# Altium PCB top_LM_v1.PcbDoc (part 5 of 5)
Units mil, origin at the board's own origin, x right, y up, seen from the top; angles counter-clockwise.
Board outline 13413.03 x 6200.01 mil, 2 copper layers (Top Layer, Bottom Layer); 748 components, 568 nets, 1910 pads, 545 vias.
Unrouted connection lines stored in the file: 211.
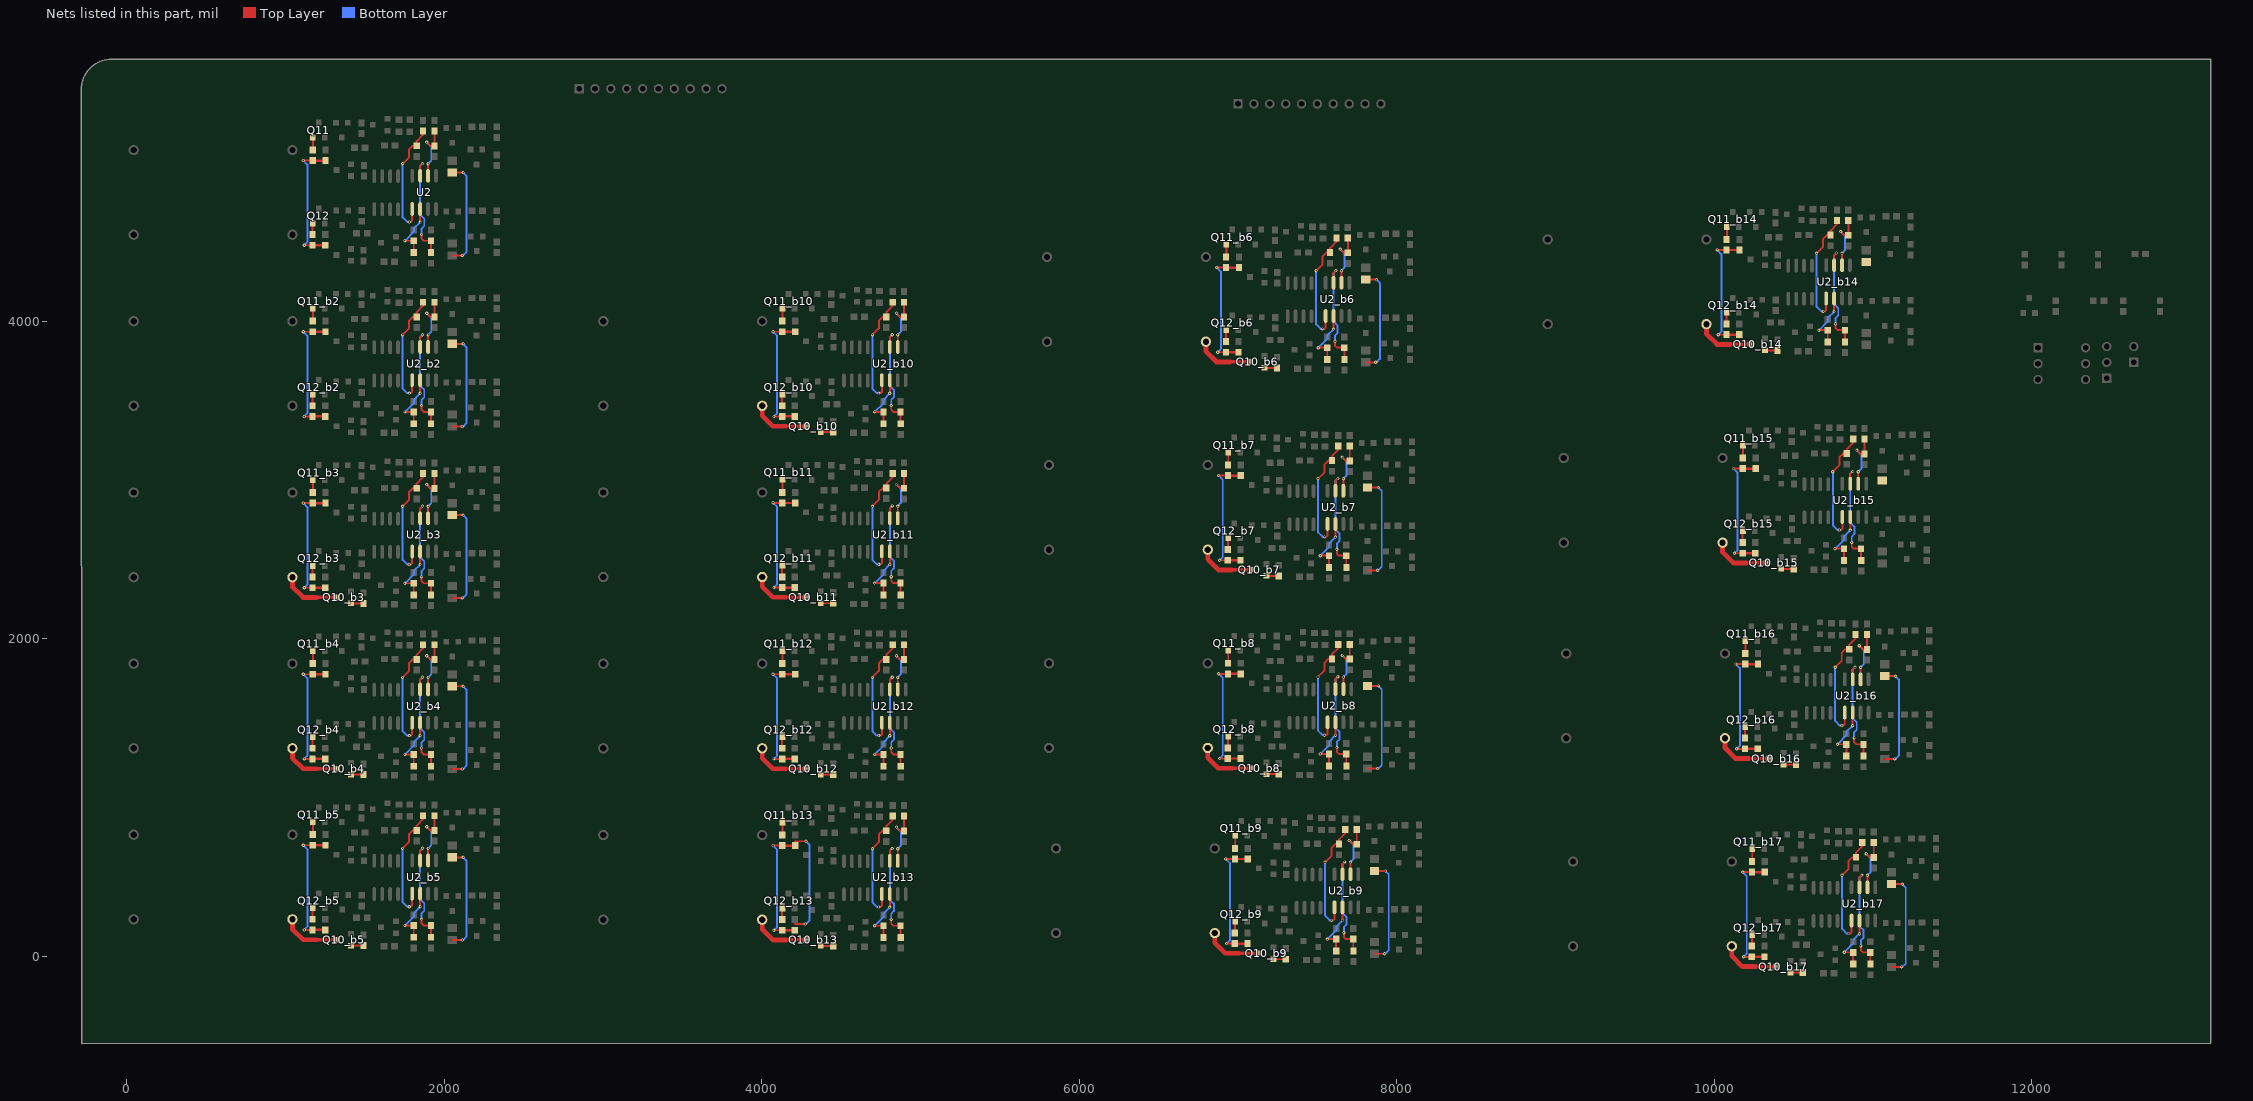
[diagram p5: the nets of this part, all layers, seen from the top]

## Via types
v1: diameter 20, hole 10, Top Layer to Bottom Layer, 458 vias
v2: diameter 40, hole 20, Top Layer to Bottom Layer, 51 vias
v3: diameter 30, hole 15, Top Layer to Bottom Layer, 34 vias
v4: diameter 125.98, hole 125.98, Top Layer to Bottom Layer, 2 vias

## Nets (pads, with @x,y where several pads share a name; then routed paths per layer and width w, separated by ;. In a path a pad name is that pad's centre, name@x,y a point inside that pad or via, vN(x,y) a via of type N, cw(c..) or ccw(c..) an arc to the next point about the centre after c; other vN are vias at no path point) (continued)
NetQ10_b3_1: Q10_b3.1 R23_b3.1 | length 78.1
  Top Layer w12: Q10_b3.1@1414.13,2222.13 R23_b3.1@1492.19,2222.13
NetQ10_b3_3: Q10_b3.3 R14_b3.1 | length 365.2
  Top Layer w22: 1196.87,2259.54 Q10_b3.3@1321.61,2259.54
  Top Layer w30: R14_b3.1@1045,2387.26 1045,2326.26 1111.72,2259.54 1196.87,2259.54
NetQ10_b4_1: Q10_b4.1 R23_b4.1 | length 78.1
  Top Layer w12: Q10_b4.1@1414.13,1144.13 R23_b4.1@1492.19,1144.13
NetQ10_b4_3: Q10_b4.3 R14_b4.1 | length 365.2
  Top Layer w22: 1196.87,1181.54 Q10_b4.3@1321.61,1181.53
  Top Layer w30: R14_b4.1@1045,1309.26 1045,1248.26 1111.72,1181.54 1196.87,1181.54
NetQ10_b5_1: Q10_b5.1 R23_b5.1 | length 78.1
  Top Layer w12: Q10_b5.1@1414.13,67.13 R23_b5.1@1492.19,67.13
NetQ10_b5_3: Q10_b5.3 R14_b5.1 | length 365.2
  Top Layer w22: 1196.87,104.54 Q10_b5.3@1321.61,104.53
  Top Layer w30: R14_b5.1@1045,232.26 1045,171.26 1111.72,104.54 1196.87,104.54
NetQ10_b6_1: Q10_b6.1 R23_b6.1 | length 78.1
  Top Layer w12: Q10_b6.1@7166.87,3705.6 R23_b6.1@7244.94,3705.6
NetQ10_b6_3: Q10_b6.3 R14_b6.1 | length 365.2
  Top Layer w22: 6949.61,3743 Q10_b6.3@7074.35,3743
  Top Layer w30: R14_b6.1@6797.75,3870.72 6797.75,3809.72 6864.47,3743 6949.61,3743
NetQ10_b7_1: Q10_b7.1 R23_b7.1 | length 78.1
  Top Layer w12: Q10_b7.1@7178.87,2395.6 R23_b7.1@7256.94,2395.6
NetQ10_b7_3: Q10_b7.3 R14_b7.1 | length 365.2
  Top Layer w22: 6961.61,2433 Q10_b7.3@7086.35,2433
  Top Layer w30: R14_b7.1@6809.75,2560.72 6809.75,2499.72 6876.47,2433 6961.61,2433
NetQ10_b8_1: Q10_b8.1 R23_b8.1 | length 78.1
  Top Layer w12: Q10_b8.1@7178.87,1146.6 R23_b8.1@7256.94,1146.6
NetQ10_b8_3: Q10_b8.3 R14_b8.1 | length 365.2
  Top Layer w22: 6961.61,1184 Q10_b8.3@7086.35,1184
  Top Layer w30: R14_b8.1@6809.75,1311.72 6809.75,1250.72 6876.47,1184 6961.61,1184
NetQ10_b9_1: Q10_b9.1 R23_b9.1 | length 78.1
  Top Layer w12: Q10_b9.1@7223.13,-19.13 R23_b9.1@7301.19,-19.13
NetQ10_b9_3: Q10_b9.3 R14_b9.1 | length 365.2
  Top Layer w22: 7005.87,18.28 Q10_b9.3@7130.61,18.28
  Top Layer w30: R14_b9.1@6854,146 6854,85 6920.72,18.28 7005.87,18.28
NetQ10_b10_1: Q10_b10.1 R23_b10.1 | length 78.1
  Top Layer w12: Q10_b10.1@4372.13,3301.13 R23_b10.1@4450.19,3301.13
NetQ10_b10_3: Q10_b10.3 R14_b10.1 | length 365.2
  Top Layer w22: 4154.87,3338.54 Q10_b10.3@4279.61,3338.53
  Top Layer w30: R14_b10.1@4003,3466.26 4003,3405.26 4069.72,3338.54 4154.87,3338.54
NetQ10_b11_1: Q10_b11.1 R23_b11.1 | length 78.1
  Top Layer w12: Q10_b11.1@4372.13,2223.13 R23_b11.1@4450.19,2223.13
NetQ10_b11_3: Q10_b11.3 R14_b11.1 | length 365.2
  Top Layer w22: 4154.87,2260.54 Q10_b11.3@4279.61,2260.54
  Top Layer w30: R14_b11.1@4003,2388.26 4003,2327.26 4069.72,2260.54 4154.87,2260.54
NetQ10_b12_1: Q10_b12.1 R23_b12.1 | length 78.1
  Top Layer w12: Q10_b12.1@4372.13,1144.13 R23_b12.1@4450.19,1144.13
NetQ10_b12_3: Q10_b12.3 R14_b12.1 | length 365.2
  Top Layer w22: 4154.87,1181.54 Q10_b12.3@4279.61,1181.54
  Top Layer w30: R14_b12.1@4003,1309.26 4003,1248.26 4069.72,1181.54 4154.87,1181.54
NetQ10_b13_1: Q10_b13.1 R23_b13.1 | length 78.1
  Top Layer w12: Q10_b13.1@4372.13,65.13 R23_b13.1@4450.19,65.13
NetQ10_b13_3: Q10_b13.3 R14_b13.1 | length 365.2
  Top Layer w22: 4154.87,102.54 Q10_b13.3@4279.61,102.54
  Top Layer w30: R14_b13.1@4003,230.26 4003,169.26 4069.72,102.54 4154.87,102.54
NetQ10_b14_1: Q10_b14.1 R23_b14.1 | length 78.1
  Top Layer w12: Q10_b14.1@10319.13,3815.87 R23_b14.1@10397.19,3815.87
NetQ10_b14_3: Q10_b14.3 R14_b14.1 | length 365.2
  Top Layer w22: 10101.87,3853.28 Q10_b14.3@10226.61,3853.28
  Top Layer w30: R14_b14.1@9950,3981 9950,3920 10016.72,3853.28 10101.87,3853.28
NetQ10_b15_1: Q10_b15.1 R23_b15.1 | length 78.1
  Top Layer w12: Q10_b15.1@10421.13,2439.61 R23_b15.1@10499.19,2439.61
NetQ10_b15_3: Q10_b15.3 R14_b15.1 | length 365.2
  Top Layer w22: 10203.87,2477.02 Q10_b15.3@10328.61,2477.02
  Top Layer w30: R14_b15.1@10052,2604.74 10052,2543.74 10118.72,2477.02 10203.87,2477.02
NetQ10_b16_1: Q10_b16.1 R23_b16.1 | length 78.1
  Top Layer w12: Q10_b16.1@10436.13,1207.87 R23_b16.1@10514.19,1207.87
NetQ10_b16_3: Q10_b16.3 R14_b16.1 | length 365.2
  Top Layer w22: 10218.87,1245.28 Q10_b16.3@10343.61,1245.28
  Top Layer w30: R14_b16.1@10067,1373 10067,1312 10133.72,1245.28 10218.87,1245.28
NetQ10_b17_1: Q10_b17.1 R23_b17.1 | length 78.1
  Top Layer w12: Q10_b17.1@10479.13,-102.13 R23_b17.1@10557.19,-102.13
NetQ10_b17_3: Q10_b17.3 R14_b17.1 | length 365.2
  Top Layer w22: 10261.87,-64.72 Q10_b17.3@10386.61,-64.72
  Top Layer w30: R14_b17.1@10110,63 10110,2 10176.72,-64.72 10261.87,-64.72
NetQ11_1: Q11.1 R39.2 | length 79.9
  Top Layer w12: R39.2@1172,5077.72 1173.6,5079.32 Q11.1@1173.6,5157
NetQ11_b2_1: Q11_b2.1 R39_b2.2 | length 79.9
  Top Layer w12: R39_b2.2@1172,3999.72 1173.6,4001.32 Q11_b2.1@1173.6,4079
NetQ11_b3_1: Q11_b3.1 R39_b3.2 | length 79.9
  Top Layer w12: R39_b3.2@1172,2920.72 1173.6,2922.32 Q11_b3.1@1173.6,3000
NetQ11_b4_1: Q11_b4.1 R39_b4.2 | length 79.9
  Top Layer w12: R39_b4.2@1172,1842.72 1173.6,1844.32 Q11_b4.1@1173.6,1922
NetQ11_b5_1: Q11_b5.1 R39_b5.2 | length 79.9
  Top Layer w12: R39_b5.2@1172,765.72 1173.6,767.32 Q11_b5.1@1173.6,845
NetQ11_b6_1: Q11_b6.1 R39_b6.2 | length 79.9
  Top Layer w12: R39_b6.2@6924.75,4404.19 6926.35,4405.79 Q11_b6.1@6926.35,4483.46
NetQ11_b7_1: Q11_b7.1 R39_b7.2 | length 79.9
  Top Layer w12: R39_b7.2@6936.75,3094.19 6938.35,3095.79 Q11_b7.1@6938.35,3173.46
NetQ11_b8_1: Q11_b8.1 R39_b8.2 | length 79.9
  Top Layer w12: R39_b8.2@6936.75,1845.19 6938.35,1846.79 Q11_b8.1@6938.35,1924.46
NetQ11_b9_1: Q11_b9.1 R39_b9.2 | length 79.9
  Top Layer w12: R39_b9.2@6981,679.46 6982.6,681.06 Q11_b9.1@6982.6,758.74
NetQ11_b10_1: Q11_b10.1 R39_b10.2 | length 79.9
  Top Layer w12: R39_b10.2@4130,3999.72 4131.6,4001.32 Q11_b10.1@4131.6,4079
NetQ11_b11_1: Q11_b11.1 R39_b11.2 | length 79.9
  Top Layer w12: R39_b11.2@4130,2921.72 4131.6,2923.32 Q11_b11.1@4131.6,3001
NetQ11_b12_1: Q11_b12.1 R39_b12.2 | length 79.9
  Top Layer w12: R39_b12.2@4130,1842.72 4131.6,1844.32 Q11_b12.1@4131.6,1922
NetQ11_b13_1: Q11_b13.1 R39_b13.2 | length 79.9
  Top Layer w12: R39_b13.2@4130,763.72 4131.6,765.32 Q11_b13.1@4131.6,843
NetQ11_b14_1: Q11_b14.1 R39_b14.2 | length 79.9
  Top Layer w12: R39_b14.2@10077,4514.46 10078.6,4516.06 Q11_b14.1@10078.6,4593.74
NetQ11_b15_1: Q11_b15.1 R39_b15.2 | length 79.9
  Top Layer w12: R39_b15.2@10179,3138.2 10180.6,3139.8 Q11_b15.1@10180.6,3217.48
NetQ11_b16_1: Q11_b16.1 R39_b16.2 | length 79.9
  Top Layer w12: R39_b16.2@10194,1906.46 10195.6,1908.06 Q11_b16.1@10195.6,1985.74
NetQ11_b17_1: Q11_b17.1 R39_b17.2 | length 79.9
  Top Layer w12: R39_b17.2@10237,596.46 10238.6,598.06 Q11_b17.1@10238.6,675.74
NetQ12_1: Q12.1 R41.1 | length 72.4
  Top Layer w12: R41.1@1171,4544.72 1171,4613.4 Q12.1@1173.6,4616
NetQ12_b2_1: Q12_b2.1 R41_b2.1 | length 72.4
  Top Layer w12: R41_b2.1@1171,3466.72 1171,3535.4 Q12_b2.1@1173.6,3538
NetQ12_b3_1: Q12_b3.1 R41_b3.1 | length 72.4
  Top Layer w12: R41_b3.1@1171,2387.72 1171,2456.4 Q12_b3.1@1173.6,2459
NetQ12_b4_1: Q12_b4.1 R41_b4.1 | length 72.4
  Top Layer w12: R41_b4.1@1171,1309.72 1171,1378.4 Q12_b4.1@1173.6,1381
NetQ12_b5_1: Q12_b5.1 R41_b5.1 | length 72.4
  Top Layer w12: R41_b5.1@1171,232.72 1171,301.4 Q12_b5.1@1173.6,304
NetQ12_b6_1: Q12_b6.1 R41_b6.1 | length 72.4
  Top Layer w12: R41_b6.1@6923.75,3871.19 6923.75,3939.87 Q12_b6.1@6926.35,3942.46
NetQ12_b7_1: Q12_b7.1 R41_b7.1 | length 72.4
  Top Layer w12: R41_b7.1@6935.75,2561.19 6935.75,2629.87 Q12_b7.1@6938.35,2632.46
NetQ12_b8_1: Q12_b8.1 R41_b8.1 | length 72.4
  Top Layer w12: R41_b8.1@6935.75,1312.19 6935.75,1380.87 Q12_b8.1@6938.35,1383.46
NetQ12_b9_1: Q12_b9.1 R41_b9.1 | length 72.4
  Top Layer w12: R41_b9.1@6980,146.46 6980,215.14 Q12_b9.1@6982.6,217.74
NetQ12_b10_1: Q12_b10.1 R41_b10.1 | length 72.4
  Top Layer w12: R41_b10.1@4129,3466.72 4129,3535.4 Q12_b10.1@4131.6,3538
NetQ12_b11_1: Q12_b11.1 R41_b11.1 | length 72.4
  Top Layer w12: R41_b11.1@4129,2388.72 4129,2457.4 Q12_b11.1@4131.6,2460
NetQ12_b12_1: Q12_b12.1 R41_b12.1 | length 72.4
  Top Layer w12: R41_b12.1@4129,1309.72 4129,1378.4 Q12_b12.1@4131.6,1381
NetQ12_b13_1: Q12_b13.1 R41_b13.1 | length 72.4
  Top Layer w12: R41_b13.1@4129,230.72 4129,299.4 Q12_b13.1@4131.6,302
NetQ12_b14_1: Q12_b14.1 R41_b14.1 | length 72.4
  Top Layer w12: R41_b14.1@10076,3981.46 10076,4050.14 Q12_b14.1@10078.6,4052.74
NetQ12_b15_1: Q12_b15.1 R41_b15.1 | length 72.4
  Top Layer w12: R41_b15.1@10178,2605.2 10178,2673.88 Q12_b15.1@10180.6,2676.48
NetQ12_b16_1: Q12_b16.1 R41_b16.1 | length 72.4
  Top Layer w12: R41_b16.1@10193,1373.46 10193,1442.14 Q12_b16.1@10195.6,1444.74
NetQ12_b17_1: Q12_b17.1 R41_b17.1 | length 72.4
  Top Layer w12: R41_b17.1@10236,63.46 10236,132.14 Q12_b17.1@10238.6,134.74
NetQ13_1: 
NetR43_2: R43.2 R44.1 U2.3 | length 718.1
  Top Layer w12: U2.3@1849,4915.02 1849,4977.26 v1(1864,4992.26) ; v1(1858,4546.26) 1858,4519.26 1871,4506.26 1916.54,4506.26 R43.2@1917,4505.8 R44.1@1917,4432.72
  Bottom Layer w12: v1(1858,4546.26) 1858,4582.26 1875,4599.26 1875,4645.26 1849,4671.26 1849,4977.26 v1(1864,4992.26)
NetR43_b2_2: R43_b2.2 R44_b2.1 U2_b2.3 | length 718.1
  Top Layer w12: U2_b2.3@1849,3837.02 1849,3899.26 v1(1864,3914.26) ; v1(1858,3468.26) 1858,3441.26 1871,3428.26 1916.54,3428.26 R43_b2.2@1917,3427.8 R44_b2.1@1917,3354.72
  Bottom Layer w12: v1(1858,3468.26) 1858,3504.26 1875,3521.26 1875,3567.26 1849,3593.26 1849,3899.26 v1(1864,3914.26)
NetR43_b3_2: R43_b3.2 R44_b3.1 U2_b3.3 | length 718.1
  Top Layer w12: U2_b3.3@1849,2758.02 1849,2820.26 v1(1864,2835.26) ; v1(1858,2389.26) 1858,2362.26 1871,2349.26 1916.54,2349.26 R43_b3.2@1917,2348.8 R44_b3.1@1917,2275.72
  Bottom Layer w12: v1(1858,2389.26) 1858,2425.26 1875,2442.26 1875,2488.26 1849,2514.26 1849,2820.26 v1(1864,2835.26)
NetR43_b4_2: R43_b4.2 R44_b4.1 U2_b4.3 | length 718.1
  Top Layer w12: U2_b4.3@1849,1680.02 1849,1742.26 v1(1864,1757.26) ; v1(1858,1311.26) 1858,1284.26 1871,1271.26 1916.54,1271.26 R43_b4.2@1917,1270.8 R44_b4.1@1917,1197.72
  Bottom Layer w12: v1(1858,1311.26) 1858,1347.26 1875,1364.26 1875,1410.26 1849,1436.26 1849,1742.26 v1(1864,1757.26)
NetR43_b5_2: R43_b5.2 R44_b5.1 U2_b5.3 | length 718.1
  Top Layer w12: U2_b5.3@1849,603.02 1849,665.26 v1(1864,680.26) ; v1(1858,234.26) 1858,207.26 1871,194.26 1916.54,194.26 R43_b5.2@1917,193.8 R44_b5.1@1917,120.72
  Bottom Layer w12: v1(1858,234.26) 1858,270.26 1875,287.26 1875,333.26 1849,359.26 1849,665.26 v1(1864,680.26)
NetR43_b6_2: R43_b6.2 R44_b6.1 U2_b6.3 | length 718.1
  Top Layer w12: U2_b6.3@7601.75,4241.49 7601.75,4303.72 v1(7616.75,4318.72) ; v1(7610.75,3872.72) 7610.75,3845.72 7623.75,3832.72 7669.28,3832.72 R43_b6.2@7669.75,3832.26 R44_b6.1@7669.75,3759.19
  Bottom Layer w12: v1(7610.75,3872.72) 7610.75,3908.72 7627.75,3925.72 7627.75,3971.72 7601.75,3997.72 7601.75,4303.72 v1(7616.75,4318.72)
NetR43_b7_2: R43_b7.2 R44_b7.1 U2_b7.3 | length 718.1
  Top Layer w12: U2_b7.3@7613.75,2931.49 7613.75,2993.72 v1(7628.75,3008.72) ; v1(7622.75,2562.72) 7622.75,2535.72 7635.75,2522.72 7681.28,2522.72 R43_b7.2@7681.75,2522.26 R44_b7.1@7681.75,2449.19
  Bottom Layer w12: v1(7622.75,2562.72) 7622.75,2598.72 7639.75,2615.72 7639.75,2661.72 7613.75,2687.72 7613.75,2993.72 v1(7628.75,3008.72)
NetR43_b8_2: R43_b8.2 R44_b8.1 U2_b8.3 | length 718.1
  Top Layer w12: U2_b8.3@7613.75,1682.49 7613.75,1744.72 v1(7628.75,1759.72) ; v1(7622.75,1313.72) 7622.75,1286.72 7635.75,1273.72 7681.28,1273.72 R43_b8.2@7681.75,1273.26 R44_b8.1@7681.75,1200.19
  Bottom Layer w12: v1(7622.75,1313.72) 7622.75,1349.72 7639.75,1366.72 7639.75,1412.72 7613.75,1438.72 7613.75,1744.72 v1(7628.75,1759.72)
NetR43_b9_2: R43_b9.2 R44_b9.1 U2_b9.3 | length 718.1
  Top Layer w12: U2_b9.3@7658,516.76 7658,579 v1(7673,594) ; v1(7667,148) 7667,121 7680,108 7725.54,108 R43_b9.2@7726,107.54 R44_b9.1@7726,34.46
  Bottom Layer w12: v1(7667,148) 7667,184 7684,201 7684,247 7658,273 7658,579 v1(7673,594)
NetR43_b10_2: R43_b10.2 R44_b10.1 U2_b10.3 | length 718.1
  Top Layer w12: U2_b10.3@4807,3837.02 4807,3899.26 v1(4822,3914.26) ; v1(4816,3468.26) 4816,3441.26 4829,3428.26 4874.54,3428.26 R43_b10.2@4875,3427.8 R44_b10.1@4875,3354.72
  Bottom Layer w12: v1(4816,3468.26) 4816,3504.26 4833,3521.26 4833,3567.26 4807,3593.26 4807,3899.26 v1(4822,3914.26)
NetR43_b11_2: R43_b11.2 R44_b11.1 U2_b11.3 | length 718.1
  Top Layer w12: U2_b11.3@4807,2759.02 4807,2821.26 v1(4822,2836.26) ; v1(4816,2390.26) 4816,2363.26 4829,2350.26 4874.54,2350.26 R43_b11.2@4875,2349.8 R44_b11.1@4875,2276.72
  Bottom Layer w12: v1(4816,2390.26) 4816,2426.26 4833,2443.26 4833,2489.26 4807,2515.26 4807,2821.26 v1(4822,2836.26)
NetR43_b12_2: R43_b12.2 R44_b12.1 U2_b12.3 | length 718.1
  Top Layer w12: U2_b12.3@4807,1680.02 4807,1742.26 v1(4822,1757.26) ; v1(4816,1311.26) 4816,1284.26 4829,1271.26 4874.54,1271.26 R43_b12.2@4875,1270.8 R44_b12.1@4875,1197.72
  Bottom Layer w12: v1(4816,1311.26) 4816,1347.26 4833,1364.26 4833,1410.26 4807,1436.26 4807,1742.26 v1(4822,1757.26)
NetR43_b13_2: R43_b13.2 R44_b13.1 U2_b13.3 | length 718.1
  Top Layer w12: U2_b13.3@4807,601.02 4807,663.26 v1(4822,678.26) ; v1(4816,232.26) 4816,205.26 4829,192.26 4874.54,192.26 R43_b13.2@4875,191.8 R44_b13.1@4875,118.72
  Bottom Layer w12: v1(4816,232.26) 4816,268.26 4833,285.26 4833,331.26 4807,357.26 4807,663.26 v1(4822,678.26)
NetR43_b14_2: R43_b14.2 R44_b14.1 U2_b14.3 | length 718.1
  Top Layer w12: U2_b14.3@10754,4351.76 10754,4414 v1(10769,4429) ; v1(10763,3983) 10763,3956 10776,3943 10821.54,3943 R43_b14.2@10822,3942.54 R44_b14.1@10822,3869.46
  Bottom Layer w12: v1(10763,3983) 10763,4019 10780,4036 10780,4082 10754,4108 10754,4414 v1(10769,4429)
NetR43_b15_2: R43_b15.2 R44_b15.1 U2_b15.3 | length 718.1
  Top Layer w12: U2_b15.3@10856,2975.5 10856,3037.74 v1(10871,3052.74) ; v1(10865,2606.74) 10865,2579.74 10878,2566.74 10923.54,2566.74 R43_b15.2@10924,2566.28 R44_b15.1@10924,2493.2
  Bottom Layer w12: v1(10865,2606.74) 10865,2642.74 10882,2659.74 10882,2705.74 10856,2731.74 10856,3037.74 v1(10871,3052.74)
NetR43_b16_2: R43_b16.2 R44_b16.1 U2_b16.3 | length 718.1
  Top Layer w12: U2_b16.3@10871,1743.76 10871,1806 v1(10886,1821) ; v1(10880,1375) 10880,1348 10893,1335 10938.54,1335 R43_b16.2@10939,1334.54 R44_b16.1@10939,1261.46
  Bottom Layer w12: v1(10880,1375) 10880,1411 10897,1428 10897,1474 10871,1500 10871,1806 v1(10886,1821)
NetR43_b17_2: R43_b17.2 R44_b17.1 U2_b17.3 | length 718.1
  Top Layer w12: U2_b17.3@10914,433.76 10914,496 v1(10929,511) ; v1(10923,65) 10923,38 10936,25 10981.54,25 R43_b17.2@10982,24.54 R44_b17.1@10982,-48.54
  Bottom Layer w12: v1(10923,65) 10923,101 10940,118 10940,164 10914,190 10914,496 v1(10929,511)
NetR45_2: R45.2 R46.1 U2.2 | length 382.9
  Top Layer w12: v1(1891,5127.26) 1914.54,5103.72 R46.1@1939,5103.72 R45.2@1939,5196.8 ; U2.2@1899,4915.02 v1(1899,4991.26)
  Bottom Layer w12: v1(1891,5127.26) 1919,5099.26 1919,5011.26 v1(1899,4991.26)
NetR45_b2_2: R45_b2.2 R46_b2.1 U2_b2.2 | length 382.9
  Top Layer w12: v1(1891,4049.26) 1914.54,4025.72 R46_b2.1@1939,4025.72 R45_b2.2@1939,4118.8 ; U2_b2.2@1899,3837.02 v1(1899,3913.26)
  Bottom Layer w12: v1(1891,4049.26) 1919,4021.26 1919,3933.26 v1(1899,3913.26)
NetR45_b3_2: R45_b3.2 R46_b3.1 U2_b3.2 | length 382.9
  Top Layer w12: v1(1891,2970.26) 1914.54,2946.72 R46_b3.1@1939,2946.72 R45_b3.2@1939,3039.8 ; U2_b3.2@1899,2758.02 v1(1899,2834.26)
  Bottom Layer w12: v1(1891,2970.26) 1919,2942.26 1919,2854.26 v1(1899,2834.26)
NetR45_b4_2: R45_b4.2 R46_b4.1 U2_b4.2 | length 382.9
  Top Layer w12: v1(1891,1892.26) 1914.54,1868.72 R46_b4.1@1939,1868.72 R45_b4.2@1939,1961.8 ; U2_b4.2@1899,1680.02 v1(1899,1756.26)
  Bottom Layer w12: v1(1891,1892.26) 1919,1864.26 1919,1776.26 v1(1899,1756.26)
NetR45_b5_2: R45_b5.2 R46_b5.1 U2_b5.2 | length 382.9
  Top Layer w12: v1(1891,815.26) 1914.54,791.72 R46_b5.1@1939,791.72 R45_b5.2@1939,884.8 ; U2_b5.2@1899,603.02 v1(1899,679.26)
  Bottom Layer w12: v1(1891,815.26) 1919,787.26 1919,699.26 v1(1899,679.26)
NetR45_b6_2: R45_b6.2 R46_b6.1 U2_b6.2 | length 382.9
  Top Layer w12: v1(7643.75,4453.72) 7667.28,4430.19 R46_b6.1@7691.75,4430.19 R45_b6.2@7691.75,4523.26 ; U2_b6.2@7651.75,4241.49 v1(7651.75,4317.72)
  Bottom Layer w12: v1(7643.75,4453.72) 7671.75,4425.72 7671.75,4337.72 v1(7651.75,4317.72)
NetR45_b7_2: R45_b7.2 R46_b7.1 U2_b7.2 | length 382.9
  Top Layer w12: v1(7655.75,3143.72) 7679.28,3120.19 R46_b7.1@7703.75,3120.19 R45_b7.2@7703.75,3213.26 ; U2_b7.2@7663.75,2931.49 v1(7663.75,3007.72)
  Bottom Layer w12: v1(7655.75,3143.72) 7683.75,3115.72 7683.75,3027.72 v1(7663.75,3007.72)
NetR45_b8_2: R45_b8.2 R46_b8.1 U2_b8.2 | length 382.9
  Top Layer w12: v1(7655.75,1894.72) 7679.28,1871.19 R46_b8.1@7703.75,1871.19 R45_b8.2@7703.75,1964.26 ; U2_b8.2@7663.75,1682.49 v1(7663.75,1758.72)
  Bottom Layer w12: v1(7655.75,1894.72) 7683.75,1866.72 7683.75,1778.72 v1(7663.75,1758.72)
NetR45_b9_2: R45_b9.2 R46_b9.1 U2_b9.2 | length 382.9
  Top Layer w12: v1(7700,729) 7723.54,705.46 R46_b9.1@7748,705.46 R45_b9.2@7748,798.54 ; U2_b9.2@7708,516.76 v1(7708,593)
  Bottom Layer w12: v1(7700,729) 7728,701 7728,613 v1(7708,593)
NetR45_b10_2: R45_b10.2 R46_b10.1 U2_b10.2 | length 382.9
  Top Layer w12: v1(4849,4049.26) 4872.54,4025.72 R46_b10.1@4897,4025.72 R45_b10.2@4897,4118.8 ; U2_b10.2@4857,3837.02 v1(4857,3913.26)
  Bottom Layer w12: v1(4849,4049.26) 4877,4021.26 4877,3933.26 v1(4857,3913.26)
NetR45_b11_2: R45_b11.2 R46_b11.1 U2_b11.2 | length 382.9
  Top Layer w12: v1(4849,2971.26) 4872.54,2947.72 R46_b11.1@4897,2947.72 R45_b11.2@4897,3040.8 ; U2_b11.2@4857,2759.02 v1(4857,2835.26)
  Bottom Layer w12: v1(4849,2971.26) 4877,2943.26 4877,2855.26 v1(4857,2835.26)
NetR45_b12_2: R45_b12.2 R46_b12.1 U2_b12.2 | length 382.9
  Top Layer w12: v1(4849,1892.26) 4872.54,1868.72 R46_b12.1@4897,1868.72 R45_b12.2@4897,1961.8 ; U2_b12.2@4857,1680.02 v1(4857,1756.26)
  Bottom Layer w12: v1(4849,1892.26) 4877,1864.26 4877,1776.26 v1(4857,1756.26)
NetR45_b13_2: R45_b13.2 R46_b13.1 U2_b13.2 | length 382.9
  Top Layer w12: v1(4849,813.26) 4872.54,789.72 R46_b13.1@4897,789.72 R45_b13.2@4897,882.8 ; U2_b13.2@4857,601.02 v1(4857,677.26)
  Bottom Layer w12: v1(4849,813.26) 4877,785.26 4877,697.26 v1(4857,677.26)
NetR45_b14_2: R45_b14.2 R46_b14.1 U2_b14.2 | length 382.9
  Top Layer w12: v1(10796,4564) 10819.54,4540.46 R46_b14.1@10844,4540.46 R45_b14.2@10844,4633.54 ; U2_b14.2@10804,4351.76 v1(10804,4428)
  Bottom Layer w12: v1(10796,4564) 10824,4536 10824,4448 v1(10804,4428)
NetR45_b15_2: R45_b15.2 R46_b15.1 U2_b15.2 | length 382.9
  Top Layer w12: v1(10898,3187.74) 10921.54,3164.2 R46_b15.1@10946,3164.2 R45_b15.2@10946,3257.28 ; U2_b15.2@10906,2975.5 v1(10906,3051.74)
  Bottom Layer w12: v1(10898,3187.74) 10926,3159.74 10926,3071.74 v1(10906,3051.74)
NetR45_b16_2: R45_b16.2 R46_b16.1 U2_b16.2 | length 382.9
  Top Layer w12: v1(10913,1956) 10936.54,1932.46 R46_b16.1@10961,1932.46 R45_b16.2@10961,2025.54 ; U2_b16.2@10921,1743.76 v1(10921,1820)
  Bottom Layer w12: v1(10913,1956) 10941,1928 10941,1840 v1(10921,1820)
NetR45_b17_2: R45_b17.2 R46_b17.1 U2_b17.2 | length 382.9
  Top Layer w12: v1(10956,646) 10979.54,622.46 R46_b17.1@11004,622.46 R45_b17.2@11004,715.54 ; U2_b17.2@10964,433.76 v1(10964,510)
  Bottom Layer w12: v1(10956,646) 10984,618 10984,530 v1(10964,510)
NetR47_2: R47.2 R48.1 U2.5 | length 759.5
  Top Layer w12: v1(1739,4991.26) 1780,5032.26 1780,5081.26 1803.46,5104.72 R48.1@1827,5104.72 1827,5133.26 1867,5173.26 R47.2@1867,5196.8 ; v1(1780,4624.26) 1791,4624.26 1799,4632.26 U2.5@1799,4706.05
  Bottom Layer w12: v1(1739,4991.26) 1739,4653.26 1768,4624.26 v1(1780,4624.26)
NetR47_b2_2: R47_b2.2 R48_b2.1 U2_b2.5 | length 759.5
  Top Layer w12: v1(1739,3913.26) 1780,3954.26 1780,4003.26 1803.46,4026.72 R48_b2.1@1827,4026.72 1827,4055.26 1867,4095.26 R47_b2.2@1867,4118.8 ; v1(1780,3546.26) 1791,3546.26 1799,3554.26 U2_b2.5@1799,3628.05
  Bottom Layer w12: v1(1739,3913.26) 1739,3575.26 1768,3546.26 v1(1780,3546.26)
NetR47_b3_2: R47_b3.2 R48_b3.1 U2_b3.5 | length 759.5
  Top Layer w12: v1(1739,2834.26) 1780,2875.26 1780,2924.26 1803.46,2947.72 R48_b3.1@1827,2947.72 1827,2976.26 1867,3016.26 R47_b3.2@1867,3039.8 ; v1(1780,2467.26) 1791,2467.26 1799,2475.26 U2_b3.5@1799,2549.05
  Bottom Layer w12: v1(1739,2834.26) 1739,2496.26 1768,2467.26 v1(1780,2467.26)
NetR47_b4_2: R47_b4.2 R48_b4.1 U2_b4.5 | length 759.5
  Top Layer w12: v1(1739,1756.26) 1780,1797.26 1780,1846.26 1803.46,1869.72 R48_b4.1@1827,1869.72 1827,1898.26 1867,1938.26 R47_b4.2@1867,1961.8 ; v1(1780,1389.26) 1791,1389.26 1799,1397.26 U2_b4.5@1799,1471.05
  Bottom Layer w12: v1(1739,1756.26) 1739,1418.26 1768,1389.26 v1(1780,1389.26)
NetR47_b5_2: R47_b5.2 R48_b5.1 U2_b5.5 | length 759.5
  Top Layer w12: v1(1739,679.26) 1780,720.26 1780,769.26 1803.46,792.72 R48_b5.1@1827,792.72 1827,821.26 1867,861.26 R47_b5.2@1867,884.8 ; v1(1780,312.26) 1791,312.26 1799,320.26 U2_b5.5@1799,394.05
  Bottom Layer w12: v1(1739,679.26) 1739,341.26 1768,312.26 v1(1780,312.26)
NetR47_b6_2: R47_b6.2 R48_b6.1 U2_b6.5 | length 759.5
  Top Layer w12: v1(7491.75,4317.72) 7532.75,4358.72 7532.75,4407.72 7556.21,4431.19 R48_b6.1@7579.75,4431.19 7579.75,4459.72 7619.75,4499.72 R47_b6.2@7619.75,4523.26 ; v1(7532.75,3950.72) 7543.75,3950.72 7551.75,3958.72 U2_b6.5@7551.75,4032.51
  Bottom Layer w12: v1(7491.75,4317.72) 7491.75,3979.72 7520.75,3950.72 v1(7532.75,3950.72)
NetR47_b7_2: R47_b7.2 R48_b7.1 U2_b7.5 | length 759.5
  Top Layer w12: v1(7503.75,3007.72) 7544.75,3048.72 7544.75,3097.72 7568.21,3121.19 R48_b7.1@7591.75,3121.19 7591.75,3149.72 7631.75,3189.72 R47_b7.2@7631.75,3213.26 ; v1(7544.75,2640.72) 7555.75,2640.72 7563.75,2648.72 U2_b7.5@7563.75,2722.51
  Bottom Layer w12: v1(7503.75,3007.72) 7503.75,2669.72 7532.75,2640.72 v1(7544.75,2640.72)
NetR47_b8_2: R47_b8.2 R48_b8.1 U2_b8.5 | length 759.5
  Top Layer w12: v1(7503.75,1758.72) 7544.75,1799.72 7544.75,1848.72 7568.21,1872.19 R48_b8.1@7591.75,1872.19 7591.75,1900.72 7631.75,1940.72 R47_b8.2@7631.75,1964.26 ; v1(7544.75,1391.72) 7555.75,1391.72 7563.75,1399.72 U2_b8.5@7563.75,1473.51
  Bottom Layer w12: v1(7503.75,1758.72) 7503.75,1420.72 7532.75,1391.72 v1(7544.75,1391.72)
NetR47_b9_2: R47_b9.2 R48_b9.1 U2_b9.5 | length 759.5
  Top Layer w12: v1(7548,593) 7589,634 7589,683 7612.46,706.46 R48_b9.1@7636,706.46 7636,735 7676,775 R47_b9.2@7676,798.54 ; v1(7589,226) 7600,226 7608,234 U2_b9.5@7608,307.79
  Bottom Layer w12: v1(7548,593) 7548,255 7577,226 v1(7589,226)
NetR47_b10_2: R47_b10.2 R48_b10.1 U2_b10.5 | length 759.5
  Top Layer w12: v1(4697,3913.26) 4738,3954.26 4738,4003.26 4761.46,4026.72 R48_b10.1@4785,4026.72 4785,4055.26 4825,4095.26 R47_b10.2@4825,4118.8 ; v1(4738,3546.26) 4749,3546.26 4757,3554.26 U2_b10.5@4757,3628.05
  Bottom Layer w12: v1(4697,3913.26) 4697,3575.26 4726,3546.26 v1(4738,3546.26)
NetR47_b11_2: R47_b11.2 R48_b11.1 U2_b11.5 | length 759.5
  Top Layer w12: v1(4697,2835.26) 4738,2876.26 4738,2925.26 4761.46,2948.72 R48_b11.1@4785,2948.72 4785,2977.26 4825,3017.26 R47_b11.2@4825,3040.8 ; v1(4738,2468.26) 4749,2468.26 4757,2476.26 U2_b11.5@4757,2550.05
  Bottom Layer w12: v1(4697,2835.26) 4697,2497.26 4726,2468.26 v1(4738,2468.26)
NetR47_b12_2: R47_b12.2 R48_b12.1 U2_b12.5 | length 759.5
  Top Layer w12: v1(4697,1756.26) 4738,1797.26 4738,1846.26 4761.46,1869.72 R48_b12.1@4785,1869.72 4785,1898.26 4825,1938.26 R47_b12.2@4825,1961.8 ; v1(4738,1389.26) 4749,1389.26 4757,1397.26 U2_b12.5@4757,1471.05
  Bottom Layer w12: v1(4697,1756.26) 4697,1418.26 4726,1389.26 v1(4738,1389.26)
NetR47_b13_2: R47_b13.2 R48_b13.1 U2_b13.5 | length 759.5
  Top Layer w12: v1(4697,677.26) 4738,718.26 4738,767.26 4761.46,790.72 R48_b13.1@4785,790.72 4785,819.26 4825,859.26 R47_b13.2@4825,882.8 ; v1(4738,310.26) 4749,310.26 4757,318.26 U2_b13.5@4757,392.05
  Bottom Layer w12: v1(4697,677.26) 4697,339.26 4726,310.26 v1(4738,310.26)
NetR47_b14_2: R47_b14.2 R48_b14.1 U2_b14.5 | length 759.5
  Top Layer w12: v1(10644,4428) 10685,4469 10685,4518 10708.46,4541.46 R48_b14.1@10732,4541.46 10732,4570 10772,4610 R47_b14.2@10772,4633.54 ; v1(10685,4061) 10696,4061 10704,4069 U2_b14.5@10704,4142.79
  Bottom Layer w12: v1(10644,4428) 10644,4090 10673,4061 v1(10685,4061)
NetR47_b15_2: R47_b15.2 R48_b15.1 U2_b15.5 | length 759.5
  Top Layer w12: v1(10746,3051.74) 10787,3092.74 10787,3141.74 10810.46,3165.2 R48_b15.1@10834,3165.2 10834,3193.74 10874,3233.74 R47_b15.2@10874,3257.28 ; v1(10787,2684.74) 10798,2684.74 10806,2692.74 U2_b15.5@10806,2766.53
  Bottom Layer w12: v1(10746,3051.74) 10746,2713.74 10775,2684.74 v1(10787,2684.74)
NetR47_b16_2: R47_b16.2 R48_b16.1 U2_b16.5 | length 759.5
  Top Layer w12: v1(10761,1820) 10802,1861 10802,1910 10825.46,1933.46 R48_b16.1@10849,1933.46 10849,1962 10889,2002 R47_b16.2@10889,2025.54 ; v1(10802,1453) 10813,1453 10821,1461 U2_b16.5@10821,1534.79
  Bottom Layer w12: v1(10761,1820) 10761,1482 10790,1453 v1(10802,1453)
NetR47_b17_2: R47_b17.2 R48_b17.1 U2_b17.5 | length 759.5
  Top Layer w12: v1(10804,510) 10845,551 10845,600 10868.46,623.46 R48_b17.1@10892,623.46 10892,652 10932,692 R47_b17.2@10932,715.54 ; v1(10845,143) 10856,143 10864,151 U2_b17.5@10864,224.79
  Bottom Layer w12: v1(10804,510) 10804,172 10833,143 v1(10845,143)
NetR49_2: R49.2 R50.1 U2.6 | length 370.4
  Top Layer w12: v1(1753,4506.26) 1808.54,4506.26 R49.2@1809,4505.8 R50.1@1809,4431.72 ; v1(1849,4623.26) U2.6@1849,4706.05
  Bottom Layer w12: v1(1753,4506.26) 1754,4506.26 1810,4562.26 1810,4584.26 v1(1849,4623.26)
NetR49_b2_2: R49_b2.2 R50_b2.1 U2_b2.6 | length 370.4
  Top Layer w12: v1(1753,3428.26) 1808.54,3428.26 R49_b2.2@1809,3427.8 R50_b2.1@1809,3353.72 ; v1(1849,3545.26) U2_b2.6@1849,3628.05
  Bottom Layer w12: v1(1753,3428.26) 1754,3428.26 1810,3484.26 1810,3506.26 v1(1849,3545.26)
NetR49_b3_2: R49_b3.2 R50_b3.1 U2_b3.6 | length 370.4
  Top Layer w12: v1(1753,2349.26) 1808.54,2349.26 R49_b3.2@1809,2348.8 R50_b3.1@1809,2274.72 ; v1(1849,2466.26) U2_b3.6@1849,2549.05
  Bottom Layer w12: v1(1753,2349.26) 1754,2349.26 1810,2405.26 1810,2427.26 v1(1849,2466.26)
NetR49_b4_2: R49_b4.2 R50_b4.1 U2_b4.6 | length 370.4
  Top Layer w12: v1(1753,1271.26) 1808.54,1271.26 R49_b4.2@1809,1270.8 R50_b4.1@1809,1196.72 ; v1(1849,1388.26) U2_b4.6@1849,1471.05
  Bottom Layer w12: v1(1753,1271.26) 1754,1271.26 1810,1327.26 1810,1349.26 v1(1849,1388.26)
NetR49_b5_2: R49_b5.2 R50_b5.1 U2_b5.6 | length 370.4
  Top Layer w12: v1(1753,194.26) 1808.54,194.26 R49_b5.2@1809,193.8 R50_b5.1@1809,119.72 ; v1(1849,311.26) U2_b5.6@1849,394.05
  Bottom Layer w12: v1(1753,194.26) 1754,194.26 1810,250.26 1810,272.26 v1(1849,311.26)
NetR49_b6_2: R49_b6.2 R50_b6.1 U2_b6.6 | length 370.4
  Top Layer w12: v1(7505.75,3832.72) 7561.28,3832.72 R49_b6.2@7561.75,3832.26 R50_b6.1@7561.75,3758.19 ; v1(7601.75,3949.72) U2_b6.6@7601.75,4032.51
  Bottom Layer w12: v1(7505.75,3832.72) 7506.75,3832.72 7562.75,3888.72 7562.75,3910.72 v1(7601.75,3949.72)
NetR49_b7_2: R49_b7.2 R50_b7.1 U2_b7.6 | length 370.4
  Top Layer w12: v1(7517.75,2522.72) 7573.28,2522.72 R49_b7.2@7573.75,2522.26 R50_b7.1@7573.75,2448.19 ; v1(7613.75,2639.72) U2_b7.6@7613.75,2722.51
  Bottom Layer w12: v1(7517.75,2522.72) 7518.75,2522.72 7574.75,2578.72 7574.75,2600.72 v1(7613.75,2639.72)
NetR49_b8_2: R49_b8.2 R50_b8.1 U2_b8.6 | length 370.4
  Top Layer w12: v1(7517.75,1273.72) 7573.28,1273.72 R49_b8.2@7573.75,1273.26 R50_b8.1@7573.75,1199.19 ; v1(7613.75,1390.72) U2_b8.6@7613.75,1473.51
  Bottom Layer w12: v1(7517.75,1273.72) 7518.75,1273.72 7574.75,1329.72 7574.75,1351.72 v1(7613.75,1390.72)
NetR49_b9_2: R49_b9.2 R50_b9.1 U2_b9.6 | length 370.4
  Top Layer w12: v1(7562,108) 7617.54,108 R49_b9.2@7618,107.54 R50_b9.1@7618,33.46 ; v1(7658,225) U2_b9.6@7658,307.79
  Bottom Layer w12: v1(7562,108) 7563,108 7619,164 7619,186 v1(7658,225)
NetR49_b10_2: R49_b10.2 R50_b10.1 U2_b10.6 | length 370.4
  Top Layer w12: v1(4711,3428.26) 4766.54,3428.26 R49_b10.2@4767,3427.8 R50_b10.1@4767,3353.72 ; v1(4807,3545.26) U2_b10.6@4807,3628.05
  Bottom Layer w12: v1(4711,3428.26) 4712,3428.26 4768,3484.26 4768,3506.26 v1(4807,3545.26)
NetR49_b11_2: R49_b11.2 R50_b11.1 U2_b11.6 | length 370.4
  Top Layer w12: v1(4711,2350.26) 4766.54,2350.26 R49_b11.2@4767,2349.8 R50_b11.1@4767,2275.72 ; v1(4807,2467.26) U2_b11.6@4807,2550.05
  Bottom Layer w12: v1(4711,2350.26) 4712,2350.26 4768,2406.26 4768,2428.26 v1(4807,2467.26)
NetR49_b12_2: R49_b12.2 R50_b12.1 U2_b12.6 | length 370.4
  Top Layer w12: v1(4711,1271.26) 4766.54,1271.26 R49_b12.2@4767,1270.8 R50_b12.1@4767,1196.72 ; v1(4807,1388.26) U2_b12.6@4807,1471.05
  Bottom Layer w12: v1(4711,1271.26) 4712,1271.26 4768,1327.26 4768,1349.26 v1(4807,1388.26)
NetR49_b13_2: R49_b13.2 R50_b13.1 U2_b13.6 | length 370.4
  Top Layer w12: v1(4711,192.26) 4766.54,192.26 R49_b13.2@4767,191.8 R50_b13.1@4767,117.72 ; v1(4807,309.26) U2_b13.6@4807,392.05
  Bottom Layer w12: v1(4711,192.26) 4712,192.26 4768,248.26 4768,270.26 v1(4807,309.26)
NetR49_b14_2: R49_b14.2 R50_b14.1 U2_b14.6 | length 370.4
  Top Layer w12: v1(10658,3943) 10713.54,3943 R49_b14.2@10714,3942.54 R50_b14.1@10714,3868.46 ; v1(10754,4060) U2_b14.6@10754,4142.79
  Bottom Layer w12: v1(10658,3943) 10659,3943 10715,3999 10715,4021 v1(10754,4060)
NetR49_b15_2: R49_b15.2 R50_b15.1 U2_b15.6 | length 370.4
  Top Layer w12: v1(10760,2566.74) 10815.54,2566.74 R49_b15.2@10816,2566.28 R50_b15.1@10816,2492.2 ; v1(10856,2683.74) U2_b15.6@10856,2766.53
  Bottom Layer w12: v1(10760,2566.74) 10761,2566.74 10817,2622.74 10817,2644.74 v1(10856,2683.74)
NetR49_b16_2: R49_b16.2 R50_b16.1 U2_b16.6 | length 370.4
  Top Layer w12: v1(10775,1335) 10830.54,1335 R49_b16.2@10831,1334.54 R50_b16.1@10831,1260.46 ; v1(10871,1452) U2_b16.6@10871,1534.79
  Bottom Layer w12: v1(10775,1335) 10776,1335 10832,1391 10832,1413 v1(10871,1452)
NetR49_b17_2: R49_b17.2 R50_b17.1 U2_b17.6 | length 370.4
  Top Layer w12: v1(10818,25) 10873.54,25 R49_b17.2@10874,24.54 R50_b17.1@10874,-49.54 ; v1(10914,142) U2_b17.6@10914,224.79
  Bottom Layer w12: v1(10818,25) 10819,25 10875,81 10875,103 v1(10914,142)
OUT2: D1.2 D1_b2.2 D1_b3.2 | length 2027.7
  Top Layer w12: 2050.87,2257.13 v1(2114.46,2257.13) ; D1_b3.2@2050.87,2778.13 v1(2119.46,2778.13) ; 2050.87,3336.13 v1(2114.46,3336.13) ; D1_b2.2@2050.87,3857.13 v1(2119.46,3857.13) ; 2050.87,4414.13 v1(2114.46,4414.13) ; D1.2@2050.87,4935.13 v1(2119.46,4935.13)
  Bottom Layer w12: v1(2114.46,2257.13) 2119.75,2257.13 2140.61,2278 2140.61,2756.98 v1(2119.46,2778.13) ; v1(2114.46,3336.13) 2119.75,3336.13 2140.61,3357 2140.61,3835.98 v1(2119.46,3857.13) ; v1(2114.46,4414.13) 2119.75,4414.13 2140.61,4435 2140.61,4913.98 v1(2119.46,4935.13)
OUT5: D1_b4.2 D1_b5.2 D1_b6.2 | length 2027.7
  Top Layer w12: 2050.87,102.13 v1(2114.46,102.13) ; D1_b5.2@2050.87,623.13 v1(2119.46,623.13) ; 2050.87,1179.13 v1(2114.46,1179.13) ; D1_b4.2@2050.87,1700.13 v1(2119.46,1700.13) ; 7803.61,3740.6 v1(7867.21,3740.6) ; D1_b6.2@7803.61,4261.6 v1(7872.21,4261.6)
  Bottom Layer w12: v1(2114.46,102.13) 2119.75,102.13 2140.61,123 2140.61,601.98 v1(2119.46,623.13) ; v1(2114.46,1179.13) 2119.75,1179.13 2140.61,1200 2140.61,1678.98 v1(2119.46,1700.13) ; v1(7867.21,3740.6) 7872.5,3740.6 7893.36,3761.46 7893.36,4240.45 v1(7872.21,4261.6)
OUT8: D1_b7.2 D1_b8.2 D1_b9.2 | length 2027.7
  Top Layer w12: 7815.61,1181.6 v1(7879.21,1181.6) ; D1_b8.2@7815.61,1702.6 v1(7884.21,1702.6) ; 7815.61,2430.6 v1(7879.21,2430.6) ; D1_b7.2@7815.61,2951.6 v1(7884.21,2951.6) ; 7859.87,15.87 v1(7923.46,15.87) ; D1_b9.2@7859.87,536.87 v1(7928.46,536.87)
  Bottom Layer w12: v1(7879.21,1181.6) 7884.5,1181.6 7905.36,1202.46 7905.36,1681.45 v1(7884.21,1702.6) ; v1(7879.21,2430.6) 7884.5,2430.6 7905.36,2451.46 7905.36,2930.45 v1(7884.21,2951.6) ; v1(7923.46,15.87) 7928.75,15.87 7949.61,36.74 7949.61,515.72 v1(7928.46,536.87)
OUT9: 
OUT10: 
OUT11: 
OUT12: 
OUT13: D1_b14.2
OUT14: D1_b15.2 | length 675.9
  Top Layer w12: 4210.87,203.13 v1(4274.46,203.13) ; 4210.87,724.13 v1(4279.46,724.13)
  Bottom Layer w12: v1(4274.46,203.13) 4279.75,203.13 4300.61,224 4300.61,702.98 v1(4279.46,724.13)
OUT15: D1_b16.2 | length 675.9
  Top Layer w12: 11072.87,1242.87 v1(11136.46,1242.87) ; D1_b16.2@11072.87,1763.87 v1(11141.46,1763.87)
  Bottom Layer w12: v1(11136.46,1242.87) 11141.75,1242.87 11162.61,1263.74 11162.61,1742.72 v1(11141.46,1763.87)
OUT16: D1_b17.2 | length 675.9
  Top Layer w12: 11115.87,-67.13 v1(11179.46,-67.13) ; D1_b17.2@11115.87,453.87 v1(11184.46,453.87)
  Bottom Layer w12: v1(11179.46,-67.13) 11184.75,-67.13 11205.61,-46.26 11205.61,432.72 v1(11184.46,453.87)
OUT_G16: R39.1 R39_b2.1 R39_b3.1 R39_b4.1 R39_b5.1 R39_b6.1 R39_b7.1 R39_b8.1 R39_b9.1 R39_b10.1 R39_b11.1 R39_b12.1 R39_b13.1 R39_b14.1 R39_b15.1 R39_b16.1 R39_b17.1 R40.2 R40_b2.2 R40_b3.2 R40_b4.2 R40_b5.2 R40_b6.2 R40_b7.2 R40_b8.2 R40_b9.2 R40_b10.2 R40_b11.2 R40_b12.2 R40_b13.2 R40_b14.2 R40_b15.2 R40_b16.2 R40_b17.2 R41.2 R41_b2.2 R41_b3.2 R41_b4.2 R41_b5.2 R41_b6.2 R41_b7.2 R41_b8.2 R41_b9.2 R41_b10.2 R41_b11.2 R41_b12.2 R41_b13.2 R41_b14.2 R41_b15.2 R41_b16.2 R41_b17.2 R42.2 R42_b2.2 R42_b3.2 R42_b4.2 R42_b5.2 R42_b6.2 R42_b7.2 R42_b8.2 R42_b9.2 R42_b10.2 R42_b11.2 R42_b12.2 R42_b13.2 R42_b14.2 R42_b15.2 R42_b16.2 R42_b17.2 | length 14024.4
  Top Layer w12: v1@1113.99,698.8 R39_b5.1@1172,698.8 ; v1@1113.99,1775.8 R39_b4.1@1172,1775.8 ; v1@1113.99,2853.8 R39_b3.1@1172,2853.8 ; v1@1113.99,3932.8 R39_b2.1@1172,3932.8 ; v1@1113.99,5010.8 R39.1@1172,5010.8 ; v1(1119.25,165.54) R41_b5.2@1170.74,165.54 ; v1(1119.25,1242.54) R41_b4.2@1170.74,1242.54 ; v1(1119.25,2320.54) R41_b3.2@1170.74,2320.54 ; v1(1119.25,3399.54) R41_b2.2@1170.74,3399.54 ; v1(1119.25,4477.54) R41.2@1170.74,4477.54 ; v1@4071.99,696.8 R39_b13.1@4130,696.8 ; v1@4071.99,1775.8 R39_b12.1@4130,1775.8 ; v1@4071.99,2854.8 R39_b11.1@4130,2854.8 ; v1@4071.99,3932.8 R39_b10.1@4130,3932.8 ; v1(4077.25,163.54) R41_b13.2@4128.74,163.54 ; v1(4077.25,1242.54) R41_b12.2@4128.74,1242.54 ; v1(4077.25,2321.54) R41_b11.2@4128.74,2321.54 ; v1(4077.25,3399.54) R41_b10.2@4128.74,3399.54 ; v1@6866.74,4337.26 R39_b6.1@6924.75,4337.26 ; v1(6872,3804) R41_b6.2@6923.49,3804 ; v1@6878.74,1778.26 R39_b8.1@6936.75,1778.26 ; v1@6878.74,3027.26 R39_b7.1@6936.75,3027.26 ; v1(6884,1245) R41_b8.2@6935.49,1245 ; v1(6884,2494) R41_b7.2@6935.49,2494 ; v1@6922.99,612.54 R39_b9.1@6981,612.54 ; v1(6928.25,79.28) R41_b9.2@6979.74,79.28 ; v1@10018.99,4447.54 R39_b14.1@10077,4447.54 ; v1(10024.25,3914.28) R41_b14.2@10075.74,3914.28 ; v1@10120.99,3071.28 R39_b15.1@10179,3071.28 ; v1(10126.25,2538.02) R41_b15.2@10177.74,2538.02 ; v1@10135.99,1839.54 R39_b16.1@10194,1839.54 ; v1(10141.25,1306.28) R41_b16.2@10192.74,1306.28 ; v1@10178.99,529.54 R39_b17.1@10237,529.54 ; v1(10184.25,-3.72) R41_b17.2@10235.74,-3.72
  Top Layer w15: v1(1113.25,699.54) v1@1113.99,698.8 ; v1(1113.25,1776.54) v1@1113.99,1775.8 ; v1(1113.25,2854.54) v1@1113.99,2853.8 ; v1(1113.25,3933.54) v1@1113.99,3932.8 ; v1(1113.25,5011.54) v1@1113.99,5010.8 ; R41_b5.2@1170.74,165.54 R41_b5.2@1171,165.8 R42_b5.2@1251,165.8 ; R41_b4.2@1170.74,1242.54 R41_b4.2@1171,1242.8 R42_b4.2@1251,1242.8 ; R41_b3.2@1170.74,2320.54 R41_b3.2@1171,2320.8 R42_b3.2@1251,2320.8 ; R41_b2.2@1170.74,3399.54 R41_b2.2@1171,3399.8 R42_b2.2@1251,3399.8 ; R41.2@1170.74,4477.54 R41.2@1171,4477.8 R42.2@1251,4477.8 ; R39_b5.1@1172,698.8 R40_b5.2@1253,698.8 ; R39_b4.1@1172,1775.8 R40_b4.2@1253,1775.8 ; R39_b3.1@1172,2853.8 R40_b3.2@1253,2853.8 ; R39_b2.1@1172,3932.8 R40_b2.2@1253,3932.8 ; R39.1@1172,5010.8 R40.2@1253,5010.8 ; v1(4071.25,697.54) v1@4071.99,696.8 ; v1(4071.25,1776.54) v1@4071.99,1775.8 ; v1(4071.25,2855.54) v1@4071.99,2854.8 ; v1(4071.25,3933.54) v1@4071.99,3932.8 ; R41_b13.2@4128.74,163.54 R41_b13.2@4129,163.8 R42_b13.2@4209,163.8 ; R41_b12.2@4128.74,1242.54 R41_b12.2@4129,1242.8 R42_b12.2@4209,1242.8 ; R41_b11.2@4128.74,2321.54 R41_b11.2@4129,2321.8 R42_b11.2@4209,2321.8 ; R41_b10.2@4128.74,3399.54 R41_b10.2@4129,3399.8 R42_b10.2@4209,3399.8 ; R39_b13.1@4130,696.8 R40_b13.2@4211,696.8 ; R39_b12.1@4130,1775.8 R40_b12.2@4211,1775.8 ; R39_b11.1@4130,2854.8 R40_b11.2@4211,2854.8 ; R39_b10.1@4130,3932.8 R40_b10.2@4211,3932.8 ; v1(6866,4338) v1@6866.74,4337.26 ; v1(6878,1779) v1@6878.74,1778.26 ; v1(6878,3028) v1@6878.74,3027.26 ; v1(6922.25,613.28) v1@6922.99,612.54 ; R41_b6.2@6923.49,3804 R41_b6.2@6923.75,3804.26 R42_b6.2@7003.75,3804.26 ; R39_b6.1@6924.75,4337.26 R40_b6.2@7005.75,4337.26 ; R41_b8.2@6935.49,1245 R41_b8.2@6935.75,1245.26 R42_b8.2@7015.75,1245.26 ; R41_b7.2@6935.49,2494 R41_b7.2@6935.75,2494.26 R42_b7.2@7015.75,2494.26 ; R39_b8.1@6936.75,1778.26 R40_b8.2@7017.75,1778.26 ; R39_b7.1@6936.75,3027.26 R40_b7.2@7017.75,3027.26 ; R41_b9.2@6979.74,79.28 R41_b9.2@6980,79.54 R42_b9.2@7060,79.54 ; R39_b9.1@6981,612.54 R40_b9.2@7062,612.54 ; v1(10018.25,4448.28) v1@10018.99,4447.54 ; R41_b14.2@10075.74,3914.28 R41_b14.2@10076,3914.54 R42_b14.2@10156,3914.54 ; R39_b14.1@10077,4447.54 R40_b14.2@10158,4447.54 ; v1(10120.25,3072.02) v1@10120.99,3071.28 ; v1(10135.25,1840.28) v1@10135.99,1839.54 ; R41_b15.2@10177.74,2538.02 R41_b15.2@10178,2538.28 R42_b15.2@10258,2538.28 ; v1(10178.25,530.28) v1@10178.99,529.54 ; R39_b15.1@10179,3071.28 R40_b15.2@10260,3071.28 ; R41_b16.2@10192.74,1306.28 R41_b16.2@10193,1306.54 R42_b16.2@10273,1306.54 ; R39_b16.1@10194,1839.54 R40_b16.2@10275,1839.54 ; R41_b17.2@10235.74,-3.72 R41_b17.2@10236,-3.46 R42_b17.2@10316,-3.46 ; R39_b17.1@10237,529.54 R40_b17.2@10318,529.54
  Bottom Layer w12: v1(1113.25,699.54) 1139.25,673.54 1139.25,185.54 v1(1119.25,165.54) ; v1(1113.25,1776.54) 1139.25,1750.54 1139.25,1262.54 v1(1119.25,1242.54) ; v1(1113.25,2854.54) 1139.25,2828.54 1139.25,2340.54 v1(1119.25,2320.54) ; v1(1113.25,3933.54) 1139.25,3907.54 1139.25,3419.54 v1(1119.25,3399.54) ; v1(1113.25,5011.54) 1139.25,4985.54 1139.25,4497.54 v1(1119.25,4477.54) ; v1(4071.25,697.54) 4097.25,671.54 4097.25,183.54 v1(4077.25,163.54) ; v1(4071.25,1776.54) 4097.25,1750.54 4097.25,1262.54 v1(4077.25,1242.54) ; v1(4071.25,2855.54) 4097.25,2829.54 4097.25,2341.54 v1(4077.25,2321.54) ; v1(4071.25,3933.54) 4097.25,3907.54 4097.25,3419.54 v1(4077.25,3399.54) ; v1(6866,4338) 6892,4312 6892,3824 v1(6872,3804) ; v1(6878,1779) 6904,1753 6904,1265 v1(6884,1245) ; v1(6878,3028) 6904,3002 6904,2514 v1(6884,2494) ; v1(6922.25,613.28) 6948.25,587.28 6948.25,99.28 v1(6928.25,79.28) ; v1(10018.25,4448.28) 10044.25,4422.28 10044.25,3934.28 v1(10024.25,3914.28) ; v1(10120.25,3072.02) 10146.25,3046.02 10146.25,2558.02 v1(10126.25,2538.02) ; v1(10135.25,1840.28) 10161.25,1814.28 10161.25,1326.28 v1(10141.25,1306.28) ; v1(10178.25,530.28) 10204.25,504.28 10204.25,16.28 v1(10184.25,-3.72)
pads on no net: C1.1 C1.2 D2.2 D2_b2.2 D2_b3.2 D2_b4.2 D2_b5.2 D2_b6.2 D2_b7.2 D2_b8.2 D2_b9.2 D2_b14.2 D2_b15.2 D2_b16.2 D2_b17.2 J1.1 J1.2 J1.3 J1.4 J1.5 J1.6 P5.1 P5.2 P5.3 P6.1 P6.2 Q13.1 Q13.2 Q13.3 R25.1 R25.2 R26.1 R26.2 R27.1 R27.2 R28.1 R28.2 R29.1 R29.2 R30.1 R30.2 R31.1 R31.2
copper on no net: | length 2297.5
  Top Layer w12: 1769.87,3628.05 1769.87,3680.54 1777.87,3688.54 1814.87,3688.54 1819.87,3683.54 1819.87,3628.05 1819.87,3572.54 1847.25,3545.15 1847.25,3481.18 1847.25,3427.92 1796.07,3376.74 1796.07,3311.89 ; v1(1795.87,3556.54) 1821.66,3530.74 1821.66,3481.18 ; v1(1804.87,3249.54) 1821.66,3266.33 1821.66,3311.89 1822.39,3312.62 ; 1819.87,3837.02 v1(1819.87,3898.54) 1837.87,3916.54 1852.87,3916.54 1869.87,3899.54 1869.87,3837.02 ; 11007.87,1242.87 v1(11071.46,1242.87) ; 11007.87,1763.87 v1(11076.46,1763.87) ; 11050.87,92.61 v1(11119.46,92.61)
  Bottom Layer w12: v1(1804.87,3249.54) 1795.87,3258.54 v1(1795.87,3556.54) 1795.87,3880.54 1813.87,3898.54 v1(1819.87,3898.54) ; v1(11071.46,1242.87) 11076.75,1242.87 11097.61,1263.74 11097.61,1742.72 v1(11076.46,1763.87) ; v1(11119.46,92.61) 11140.61,71.46
  other v4: -78.74,0 -78.74,5472.44

## Keep-outs
Keep-Out Layer:
  lines w10: -93.94,5644.99 ccw(c-93,5456.99) -281,5458 -277.83,-544.98 13122,-542.66 13122,5645 11561.03,5645 -93,5645

## Dimensions
-284.45,-846 to 10140,-915 on Keep-Out Layer
-854,5644 to -879,-200 on Keep-Out Layer